# Altium PCB fish with thicker fin.PcbDoc
Units mil, origin at the board's own origin, x right, y up, seen from the top; angles counter-clockwise.
Board outline 3736.66 x 2102.28 mil, 2 copper layers (Top Layer, Bottom Layer), stack 21 mil thick; 47 components, 30 nets, 135 pads, 180 vias.
Unrouted connection lines stored in the file: 1.
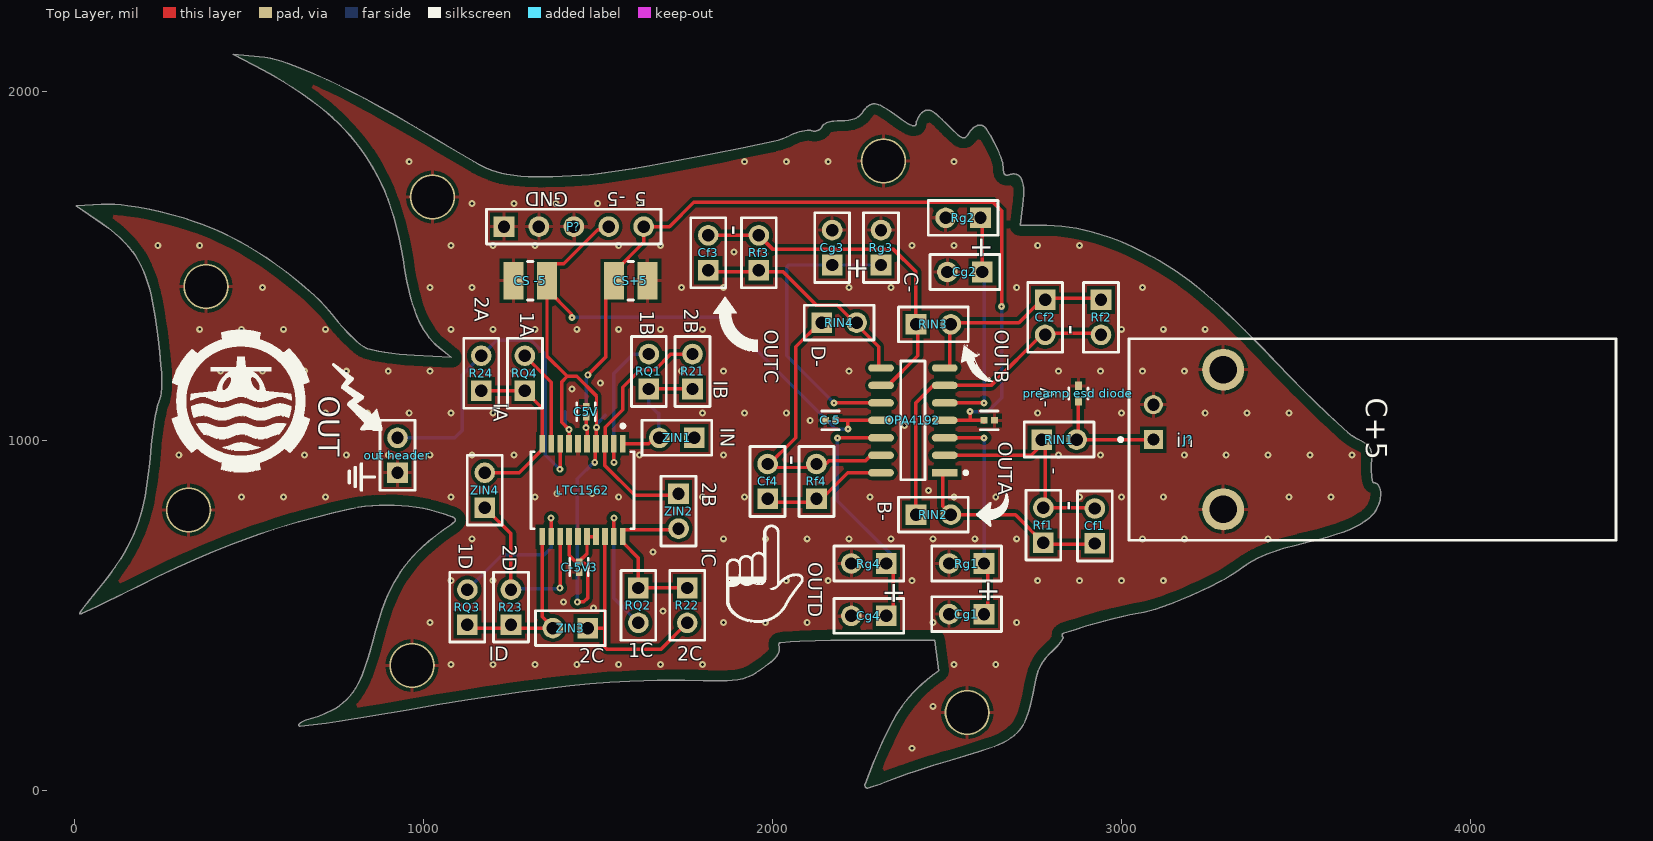
[diagram p0: Top Layer view]
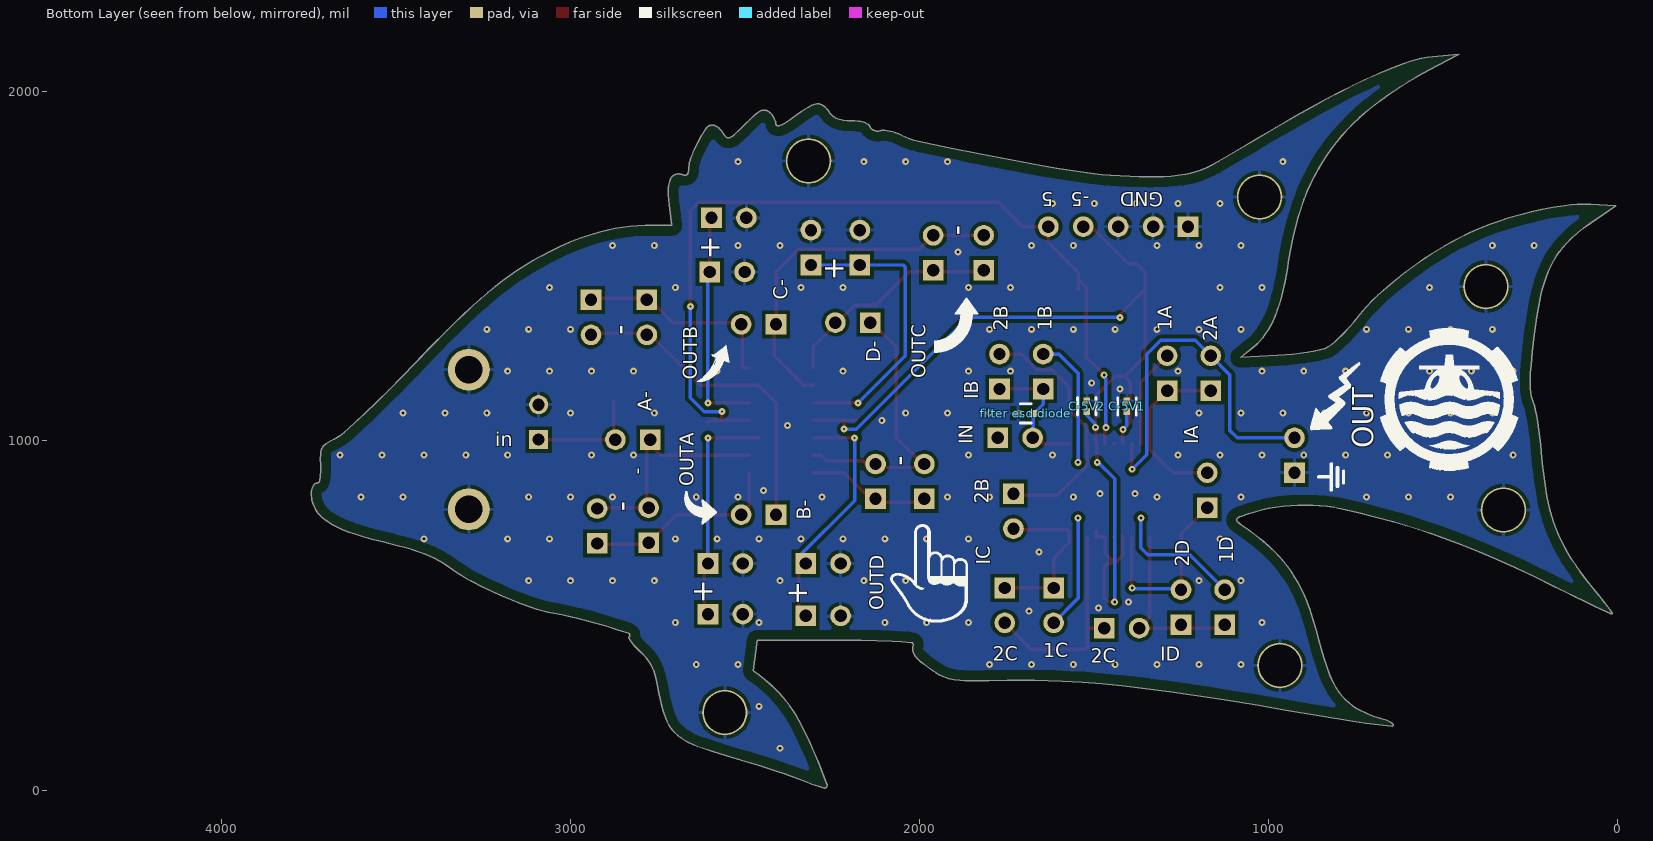
[diagram p1: Bottom Layer view, seen from below]
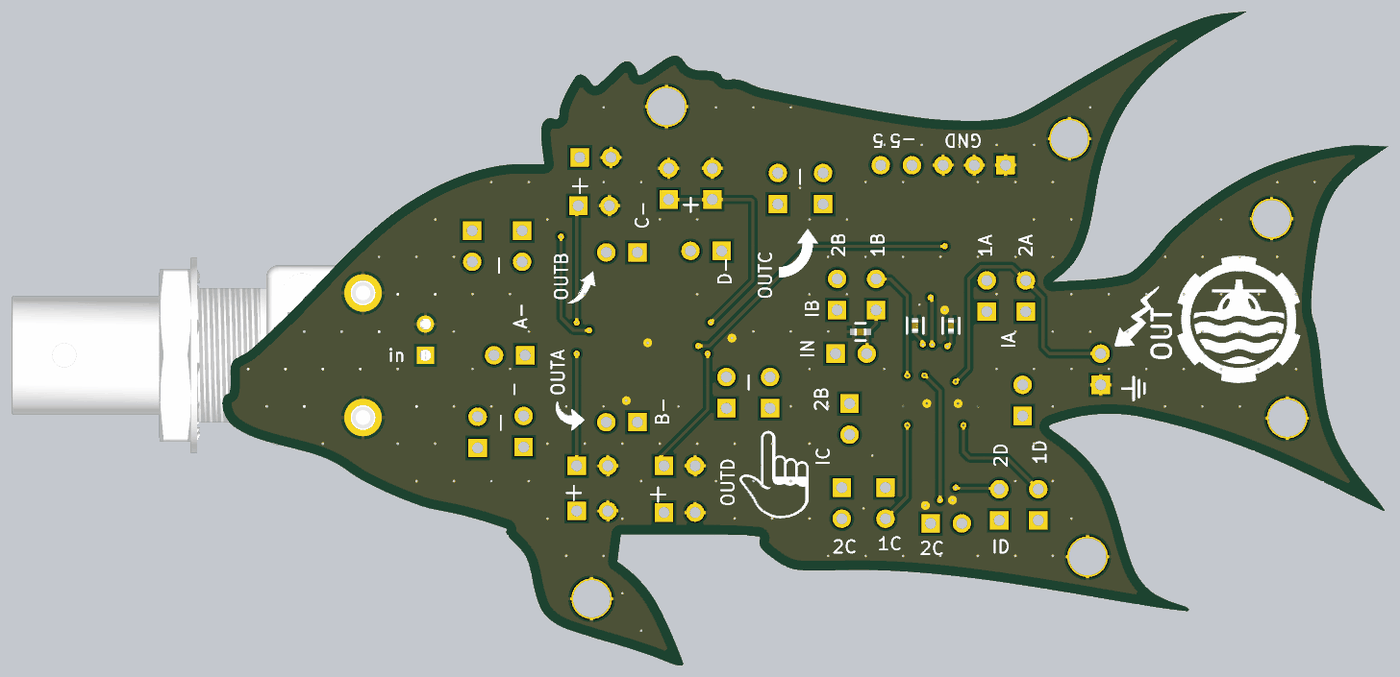
[diagram p2: 3D render of the assembled board from below, using the file's embedded part models]

## Layer stack, top to bottom
Top Solder: solder mask 0.4, Solder Resist, Dk 3.5
Top Layer: signal copper 1.4
Dielectric 2: prepreg 2.8, PP-006, Dk 4.1
Dielectric 1: dielectric 12.6, FR-4, Dk 4.8
Dielectric 3: prepreg 2.8, PP-006, Dk 4.1
Bottom Layer: signal copper 1.4
Bottom Solder: solder mask 0.4, Solder Resist, Dk 3.5

## Board outline
17.57,504.91 cw(c17.57,506.29) 16.44,507.07 cw(c670.23,58.05) 28.53,524.19 cw(c506.41,177.06) 44.65,545.36 cw(c1068.55,-271.32) 65.24,570.54 ccw(c-662.34,1181.04) 133.37,662.44 ccw(c-251.93,913.56) 176.8,747.13 ccw(c-294.14,929.94) 203.38,842.27 ccw(c-1096.08,1071.25) 219.31,967.41 cw(c1279.69,883.7) 223.63,1010.84 cw(c1223.94,890.41) 229.69,1053.46 cw(c1110.22,909.06) 236.48,1090.05 cw(c356.28,1065.23) 242.88,1111.16 ccw(c147.13,1149.94) 249.62,1136.97 ccw(c5.09,1167.91) 251.56,1170.23 ccw(c-308.42,1164.96) 249.1,1217.59 ccw(c-3029.55,908.05) 241.18,1292.41 ccw(c-1169.49,1126.64) 220.75,1417.66 ccw(c-136.3,1342.92) 191.87,1502.22 ccw(c-34.72,1392.22) 147.79,1565.8 ccw(c-151.58,1281.09) 80.88,1622.63 5.91,1673.66 78.7,1677.44 cw(c98.93,1287.57) 153.43,1674.14 cw(c10.08,657.29) 247.46,1656.38 cw(c-8.78,577.94) 344.71,1628.53 cw(c97.79,894.64) 430.42,1593.87 cw(c50.41,795.04) 518.63,1545.57 cw(c-116.73,527.11) 608.06,1484 cw(c-65.21,595.12) 687.5,1417.81 cw(c351.47,1050.54) 744.64,1355.86 ccw(c1198.52,1708.34) 768.69,1326.91 ccw(c1180.62,1692.45) 794.34,1299.9 ccw(c1129.43,1640.44) 818.07,1278.07 ccw(c866.83,1334.82) 834.68,1267.26 ccw(c871.9,1345.48) 854.2,1260.69 ccw(c1000.88,1963.32) 889.68,1254.2 ccw(c1015.29,2055.26) 931.46,1248.76 ccw(c1024.78,2146.53) 974.61,1245.32 1080.86,1239.41 1046.14,1267.09 cw(c1159.24,1408.95) 1009.9,1305.93 cw(c1235.21,1461.36) 981.83,1357.81 cw(c1390.02,1524.63) 959.94,1427.27 cw(c2184.18,1704.4) 942.47,1520.74 ccw(c93.07,1395.11) 897.95,1694.17 ccw(c353.42,1491.85) 820.84,1836.77 ccw(c320.98,1467.91) 704.69,1956.46 ccw(c29.5,1096.79) 543.36,2061.6 455.86,2108.2 530.12,2100.96 cw(c498.6,1777.59) 610.97,2082.45 cw(c106.33,713.32) 723.98,2035.32 cw(c-248.83,-46.87) 864.89,1963.48 cw(c-1871.7,-2976.29) 1036.88,1864.2 ccw(c4974.82,8417.72) 1145.06,1800.4 ccw(c1346.87,2149.12) 1195.64,1775.67 ccw(c1267.25,1952.51) 1238.84,1763.85 ccw(c1339.64,2433.04) 1300.53,1757.43 ccw(c1339.86,2436.95) 1344.52,1756.31 ccw(c1333.99,3296.61) 1398.59,1757.63 ccw(c1332.45,3333.01) 1453.6,1760.9 ccw(c1386.97,2625.54) 1500.76,1765.84 ccw(c1038.68,5256.73) 1648.96,1788.68 ccw(c280.98,9562.45) 1829.65,1822.65 ccw(c-974.65,15837.65) 2004.44,1858.76 ccw(c1964.13,2047.9) 2053.62,1876.46 cw(c2106.89,1774.41) 2068.83,1883.06 cw(c2112.58,1758.18) 2085.37,1887.67 cw(c2108.92,1775.6) 2100.77,1889.83 cw(c2103.27,1854.69) 2112.19,1888.77 ccw(c2120.69,1921.3) 2121.71,1887.69 ccw(c2120.87,1915.56) 2130.68,1889.46 ccw(c2122.63,1910.87) 2137.83,1893.78 ccw(c2127.13,1905.81) 2142.16,1900.04 cw(c2155.83,1894.8) 2148.05,1907.2 cw(c2175.9,1862.81) 2159.87,1912.7 cw(c2186.22,1830.71) 2176.26,1916.25 cw(c2196.21,1744.95) 2196.21,1917.41 ccw(c2196.21,2103.47) 2219,1918.81 ccw(c2210.44,1988.19) 2236.22,1923.21 ccw(c2218.59,1967.65) 2249.24,1930.96 ccw(c2218.36,1967.92) 2259.21,1942.41 cw(c2315.48,1907.27) 2275.99,1960.58 cw(c2290.99,1940.34) 2294.36,1965.3 cw(c2286.02,1903.62) 2318.98,1956.42 cw(c1976.77,1408.2) 2359.65,1928.83 ccw(c2716.73,2414.39) 2384.07,1911.79 ccw(c2429.13,1979.87) 2399.69,1903.72 ccw(c2404.47,1916.07) 2408.27,1903.38 ccw(c2406.72,1908.55) 2412.11,1908.55 cw(c2437.27,1908.55) 2413.46,1916.69 cw(c2468.55,1897.86) 2417.61,1926.04 cw(c2474.1,1894.79) 2423.67,1935.09 cw(c2462.92,1903.72) 2430.83,1942.38 cw(c2446.02,1924.08) 2442.86,1947.65 cw(c2445.74,1926.17) 2455.48,1945.53 cw(c2422.12,1879.25) 2472.08,1934.12 cw(c1920.43,1328.28) 2499.81,1907.66 ccw(c3587.96,2995.81) 2530.82,1877.51 ccw(c2561.87,1910.36) 2544.34,1868.69 ccw(c2547.89,1877.13) 2553.74,1870.08 ccw(c2529.98,1898.71) 2562.78,1881.15 cw(c2606.12,1857.96) 2569.05,1890.24 cw(c2609.62,1854.91) 2577.32,1897.93 cw(c2604.9,1861.2) 2586.24,1903.17 cw(c2594.41,1884.79) 2594.41,1904.91 cw(c2594.41,1884.81) 2611.17,1895.91 cw(c2215.27,1633.58) 2635.27,1855.28 cw(c2280.6,1668.06) 2655.49,1810.55 cw(c2564.42,1775.93) 2661.84,1777.18 ccw(c2696.03,1777.61) 2663.18,1768.13 ccw(c2672.35,1770.78) 2666.98,1762.89 ccw(c2672.33,1770.75) 2673.25,1761.28 ccw(c2669.98,1795.02) 2682.12,1763.37 cw(c2691,1740.25) 2701.07,1762.88 cw(c2690.64,1739.44) 2714.39,1749.13 cw(c2642.48,1719.81) 2720.14,1720.02 cw(c2389.2,1719.12) 2717.42,1676.79 2709.77,1617.41 2785.46,1617.41 cw(c2785.46,1170.66) 2872,1608.95 cw(c2742.38,952.45) 2964.88,1583.55 cw(c2706.1,849.51) 3060.4,1542.51 cw(c2624.89,690.65) 3154.88,1487.17 cw(c2702.32,807.02) 3214.65,1443.37 cw(c2330.86,345.65) 3279.21,1388.1 cw(c1832.84,-201.79) 3354.03,1316.67 cw(c-599.58,-2629.83) 3446.01,1222.32 ccw(c6746.79,4365.27) 3520,1146.4 ccw(c5766.85,3387.75) 3589.41,1078.91 ccw(c5984.1,3618.13) 3648.84,1024.16 ccw(c3724.23,1107.9) 3674.61,1006.73 cw(c3557.87,768.68) 3699.84,992.6 cw(c3681.69,963.96) 3711.29,980.49 cw(c3678.67,962.28) 3716,963.95 cw(c3366.88,948.28) 3716,932.59 ccw(c3987.78,920.38) 3715.84,912.4 ccw(c3855.82,916.51) 3717.38,895.39 ccw(c3817.36,910.64) 3720.11,882.87 ccw(c3724.03,883.99) 3724.03,879.91 cw(c3724.03,865.66) 3736.07,873.29 cw(c3701.85,851.58) 3742.16,855.75 cw(c3666.83,847.96) 3740.71,831.33 cw(c3639.3,854.15) 3731.64,806.41 cw(c3655.71,845.67) 3708.93,778.78 cw(c3578.94,942.15) 3670.84,754.69 cw(c3500.48,1102.2) 3615.23,732.58 cw(c3239.77,1941.93) 3537.11,711.04 ccw(c4020.05,-1288.12) 3465.06,692.25 ccw(c3601.32,206.04) 3415.87,675.7 ccw(c3532,381.58) 3377.06,657.23 ccw(c3555.34,340.06) 3339.65,633.08 cw(c3075.87,991.43) 3280.76,596.44 cw(c2666.3,1780.98) 3197.88,557 cw(c2667.54,1778.13) 3113.05,523.57 cw(c2979.69,899.1) 3048.3,506.54 ccw(c3235.64,-565.53) 2975.96,491.35 ccw(c3297.62,-817.79) 2900.79,470.56 ccw(c3631.2,-1900.74) 2833.55,448.8 ccw(c2835.31,443.61) 2831.44,439.75 cw(c2828.27,436.58) 2832.26,434.53 cw(c2755.58,473.85) 2825.66,423.7 cw(c2721.88,497.96) 2814.83,410.52 cw(c2634.86,579.83) 2800.44,396.43 ccw(c2917.82,266.41) 2780.14,374.7 ccw(c2868.25,305.4) 2766.31,352.03 ccw(c2915.39,283.84) 2756.19,322.94 ccw(c3389.88,167.31) 2747.15,279.91 cw(c2320.11,354.72) 2726.1,202.65 cw(c2625.95,240.16) 2693.96,157.62 cw(c2573.65,303.64) 2635.77,124.94 cw(c1889.2,2272.7) 2511.36,85.65 ccw(c3136.26,-2111.05) 2461.8,70.95 ccw(c3258.68,-2507.12) 2410.47,54.52 ccw(c3170.68,-2241.37) 2364.5,38.78 ccw(c2546.98,-477.37) 2333.61,26.79 cw(c2112.66,548.82) 2310.28,17.53 cw(c2199.2,316.18) 2289.68,10.65 cw(c2181.95,374.42) 2272.7,6.05 cw(c2271.51,10.88) 2267.99,7.36 cw(c2274.86,14.23) 2265.8,17.72 cw(c5587.98,-1259.58) 2289.39,77.48 cw(c3627.82,-465.04) 2316.63,140.34 cw(c3385.96,-353.37) 2345.53,198.66 cw(c2671.54,25.69) 2381.74,254.19 cw(c2692.29,9.33) 2427.86,303.4 cw(c2727.44,-29.77) 2474.82,340.27 2476.2,341.69 2464.95,429.33 2328.13,429.33 ccw(c2291.34,-19701.29) 2167.13,428.98 ccw(c2179.96,-1649.24) 2079.03,426.57 ccw(c2140.44,-836.33) 2023.93,422.68 ccw(c2024.51,416.44) 2018.62,414.29 cw(c1992.24,404.62) 2019.76,398.96 cw(c1984.4,406.23) 2012.87,384.03 cw(c1932.72,446.53) 1995.55,366.63 cw(c1530.04,958.59) 1962.11,341.81 cw(c1858.61,489.56) 1931.06,324.35 cw(c1886.79,425.31) 1900.77,315.96 cw(c1857.47,654.43) 1855.34,313.21 cw(c1901.65,7723.15) 1749.61,314.62 ccw(c1704.49,-1883.92) 1591.82,312.2 ccw(c1750.67,-2784.27) 1420.36,298.62 ccw(c1918.33,-4349.14) 1215.31,272.06 ccw(c3148.35,-12434.41) 951.49,229.11 cw(c-1681.98,15409.44) 759.9,197.12 cw(c452.93,2109.44) 648.35,182.52 cw(c647.94,186.52) 644.94,189.19 cw(c671.06,165.99) 662.11,199.76 ccw(c560.38,583.9) 738.45,228.65 ccw(c666.48,372.23) 789.17,268.59 ccw(c628.35,404.44) 825.33,330.16 ccw(c-25.37,650.93) 856.52,429.91 cw(c1784.56,197.33) 891.89,541.53 cw(c1283.41,390.57) 935.85,625.69 cw(c1255.44,409.49) 995.94,695.04 cw(c1474.61,168.32) 1080.47,760.95 ccw(c1052.44,803.1) 1091.41,770.8 ccw(c1087.51,774.03) 1090.79,777.89 ccw(c1067.63,750.61) 1078.6,784.67 ccw(c500.51,-1011.14) 1037.57,797.36 ccw(c916.75,390.51) 979.99,810.19 ccw(c898.59,269.97) 917.39,815.96 ccw(c898.19,258.4) 853.84,814.53 ccw(c891.72,339.46) 793.36,805.77 ccw(c1249.33,-1355.89) 643.94,768.78 ccw(c1233.47,-1300.24) 498.46,721.67 ccw(c1330.79,-1567.95) 348.19,661.32 ccw(c1885.98,-2827.54) 184.17,584.32 cw(c-4231.32,9436.57) 122.61,553.88 cw(c-2245.57,5385.3) 69.56,528.24 cw(c-8188.75,17853.99) 23.04,506.14 cw(c17.57,517.69)

## Design rules (kind name [scope] priority, off if disabled: settings)
BoardOutlineClearance [All] p1: gap=30 ignorepadtopadclearanceinfootprint=FALSE
Clearance [All] p1: gap=10 ignorepadtopadclearanceinfootprint=FALSE except(0: Arc-Hole Track-Hole SMDPad-Hole THPad-Hole Via-Hole Fill-Hole Poly-Hole Region-Hole Text-Hole)
PlaneConnect [All] p1: pad.planeconnectstyle=Relief pad.reliefexpansion=20 pad.reliefentries=4 pad.reliefconductorwidth=10 pad.reliefairgap=10 via.planeconnectstyle=Direct via.reliefexpansion=20 via.reliefentries=4 via.reliefconductorwidth=10 via.reliefairgap=10
PolygonConnect [All] p1: thpad.connectstyle=Relief thpad.reliefconductorwidth=10 thpad.reliefentries=4 thpad.polygonreliefangle="90 Angle" thpad.airgapwidth=10 smdpad.connectstyle=Relief smdpad.reliefconductorwidth=10 smdpad.reliefentries=4 smdpad.polygonreliefangle="90 Angle" smdpad.airgapwidth=10 via.connectstyle=Direct via.reliefconductorwidth=10 via.reliefentries=4 via.polygonreliefangle="90 Angle" via.airgapwidth=10
RoutingVias [All] p1: holewidth=28 width=50 viastyle="Through Hole" minholewidth=28 minwidth=50 maxholewidth=28 maxwidth=50
SolderMaskExpansion [All] p1: expansion=4 istentingtop=FALSE
Width [All] p1: maxlimit=10 minlimit=10 preferedwidth=10
29 further rules are at their usual default settings.

## Classes and differential pairs
component class "Thru hole preamp with charge or INV stages with input resistors": C+5 C-5 CF1 CF2 CF3 CF4 CG1 CG2 CG3 CG4 J? OPA4192 "preamp esd diode" RF1 RF2 RF3 RF4 RG1 RG2 RG3 RG4 RIN1 RIN2 RIN3 RIN4
component class "thru hole LTC1562 8th order 4 LP or BP stages": C5V C-5V1 C-5V2 C-5V3 "CS -5" CS+5 "filter esd diode" LTC1562 "out header" P? R21 R22 R23 R24 RQ1 RQ2 RQ3 RQ4 ZIN1 ZIN2 ZIN3 ZIN4

## Components (designator, comment, footprint, x,y, rotation, side; value= is the part's Value field where it differs from the comment)
C5V "CL05A104KA5NNNC" FP-CL278-IPC_C 1466.47,1084 r270 top
C+5 "CL05A104KA5NNNC" FP-CL278-IPC_C 2621.56,1059.09 r0 top
C-5 "CL05A104KA5NNNC" FP-CL278-IPC_C 2166.47,1059.09 r180 top
C-5V1 "CL05A104KA5NNNC" FP-CL278-IPC_C 1406.47,1099 r90 bottom
C-5V2 "CL05A104KA5NNNC" FP-CL278-IPC_C 1521.47,1099.19 r90 bottom
C-5V3 "CL05A104KA5NNNC" FP-CL278-IPC_C 1446.47,639 r270 top
Cf1 "Header 2" HDR1X2 2923.97,706.59 r90 top (schematic designator CF1)
Cf2 "Header 2" HDR1X2 2781.47,1404.09 r270 top (schematic designator CF2)
Cf3 "Header 2" HDR1X2 1816.47,1489.09 r90 top (schematic designator CF3)
Cf4 "Header 2" HDR1X2 1986.47,834.09 r90 top (schematic designator CF4)
Cg1 "Header 2" HDR1X2 2606.47,504.09 r180 top (schematic designator CG1)
Cg2 "Header 2" HDR1X2 2601.47,1484.09 r180 top (schematic designator CG2)
Cg3 "Header 2" HDR1X2 2171.47,1504.09 r90 top (schematic designator CG3)
Cg4 "Header 2" HDR1X2 2326.47,499.09 r180 top (schematic designator CG4)
"CS -5" "CL32A157MQVNNNE" FP-CL32-IPC_C 1306.47,1459.09 r180 top
CS+5 "CL32A157MQVNNNE" FP-CL32-IPC_C 1594.71,1459.09 r0 top
"filter esd diode" "GG040205100N2P" FP-GG0402-MFG 1696.47,1079.09 r180 bottom value=10pF
J? "73138-5033" FP-73138-5033-MFG 3718.83,1004.09 r180 top
LTC1562 "LTC1562IG#PBF" FP-G-20-05-08-1640-MFG 1456.47,859.09 r270 top
OPA4192 "OPA4192IDR" FP-D0014A-IPC_C 2402.65,1059.09 r180 top
"out header" "Header 2" HDR1X2 926.47,909.09 r90 top
P? "Header 5" HDR1X5 1231.47,1614.09 r0 top
"preamp esd diode" "GG040205100N2P" FP-GG0402-MFG 2876.47,1136.14 r270 top value=10pF
R21 "Header 2" HDR1X2 1771.47,1149.09 r90 top
R22 "Header 2" HDR1X2 1756.47,579.09 r270 top
R23 "Header 2" HDR1X2 1251.47,474.09 r90 top
R24 "Header 2" HDR1X2 1166.47,1144.09 r90 top
Rf1 "Header 2" HDR1X2 2776.47,709.09 r90 top (schematic designator RF1)
Rf2 "Header 2" HDR1X2 2941.47,1404.09 r270 top (schematic designator RF2)
Rf3 "Header 2" HDR1X2 1961.47,1489.09 r90 top (schematic designator RF3)
Rf4 "Header 2" HDR1X2 2126.47,834.09 r90 top (schematic designator RF4)
Rg1 "Header 2" HDR1X2 2606.47,649.09 r180 top (schematic designator RG1)
Rg2 "Header 2" HDR1X2 2596.47,1639.09 r180 top (schematic designator RG2)
Rg3 "Header 2" HDR1X2 2311.47,1504.09 r90 top (schematic designator RG3)
Rg4 "Header 2" HDR1X2 2326.47,649.09 r180 top (schematic designator RG4)
RIN1 "Header 2" HDR1X2 2771.47,1004.09 r0 top
RIN2 "Header 2" HDR1X2 2411.47,789.09 r0 top
RIN3 "Header 2" HDR1X2 2411.47,1334.09 r0 top
RIN4 "Header 2" HDR1X2 2141.47,1339.09 r0 top
RQ1 "Header 2" HDR1X2 1646.47,1149.09 r90 top
RQ2 "Header 2" HDR1X2 1616.47,579.09 r270 top
RQ3 "Header 2" HDR1X2 1126.47,474.09 r90 top
RQ4 "Header 2" HDR1X2 1291.47,1144.09 r90 top
ZIN1 "Header 2" HDR1X2 1776.47,1009.09 r180 top
ZIN2 "Header 2" HDR1X2 1731.47,849.09 r270 top
ZIN3 "Header 2" HDR1X2 1471.47,464.09 r180 top
ZIN4 "Header 2" HDR1X2 1176.47,809.09 r90 top

## Footprints (in the part's own frame and the unit in brackets; to place one, negate y for a bottom-side part, rotate by r counter-clockwise, add the part's x,y. Pads: shape width x height; smd on the part's side, far side on the other; paste and mask are expansions set on the pad)
FP-73138-5033-MFG [mm]
  rect 1.39x1.39 hole 0.89 paste-2539.97 mask+0: 1(15.935,0)
  round 1.39 hole 0.89 paste-2539.97 mask+0: 2(15.935,-2.54)
  round 3.05 hole 2 paste-2539.97 mask+0: 3(10.855,5.08) 4(10.855,-5.08)
  silkscreen extent -17.71,-7.33 18.44,7.33, body extent -17.82,-7.43 17.82,7.43, height 0.25
FP-CL32-IPC_C [mil]
  rect 57.19x106.46 smd paste+0 mask+0: 1(-48.24,0) 2(48.24,0)
  silkscreen extent -8,-55 8,55, body extent -81,-59 81,59, height 10
FP-CL278-IPC_C [mil]
  rect 20.29x18.6 smd paste+0 mask+0: 1(-14.9,0) 2(14.9,0)
  silkscreen extent -25,-27 25,27, body extent -29,-15 29,15, height 10
FP-D0014A-IPC_C [mil]
  rect 73.78x21.34 smd paste+0 mask+0: 1(-91.18,150)
  rrect100% 73.78x21.34 smd paste+0 mask+0: 2(-91.18,100) 3(-91.18,50) 4(-91.18,0) 5(-91.18,-50) 6(-91.18,-100) 7(-91.18,-150) 8(91.18,-150) 9(91.18,-100) 10(91.18,-50) 11(91.18,0) 12(91.18,50) 13(91.18,100) 14(91.18,150)
  silkscreen extent -156,-170 35,170, body extent -132,-174 132,174, height 10
FP-G-20-05-08-1640-MFG [mm]
  rect 1.25x0.42 smd paste+0 mask+0: 1(-3.375,2.925) 2(-3.375,2.275) 3(-3.375,1.625) 4(-3.375,0.975) 5(-3.375,0.325) 6(-3.375,-0.325) 7(-3.375,-0.975) 8(-3.375,-1.625) 9(-3.375,-2.275) 10(-3.375,-2.925) 11(3.375,-2.925) 12(3.375,-2.275) 13(3.375,-1.625) 14(3.375,-0.975) 15(3.375,-0.325) 16(3.375,0.325) 17(3.375,0.975) 18(3.375,1.625) 19(3.375,2.275) 20(3.375,2.925)
  silkscreen extent -4.8,-3.75 2.8,3.75, body extent -4.1,-4 4.1,4, height 0.25
FP-GG0402-MFG [mm]
  rect 0.61x0.51 smd paste+0 mask+0: 1(-0.56,0) 2(0.56,0)
  silkscreen extent -0.4,-0.7 0.4,0.7, body extent -0.5,-0.3 0.5,0.3, height 0.55
HDR1X2 [mm] "Connector; Header; 2 Position"
  rect 1.5x1.5 hole 0.9: 1(0,0)
  round 1.5 hole 0.9: 2(2.54,0)
  silkscreen extent -1.27,-1.27 3.81,1.27
HDR1X5 [mm] "Connector; Header; 5 Position"
  rect 1.5x1.5 hole 0.9: 1(0,0)
  round 1.5 hole 0.9: 2(2.54,0) 3(5.08,0) 4(7.62,0) 5(10.16,0)
  silkscreen extent -1.27,-1.27 11.43,1.27

## Part data
C5V C+5 C-5 C-5V1 C-5V2 C-5V3: library part CMP-13271-000728-1, "Cap Ceramic 100nF 25V X5R ±10% SMD 0402 +85°C Paper T/R", Capacitance=100nF, Case Code (Imperial)=0402, Case Code (Metric)=1005, Dielectric=X5R, Max Operating Temperature=85°C, Min Operating Temperature=-55°C, Package Quantity=1, Tolerance=10%, Voltage=25V, Case/Package=0402, Depth=0.5mm, Height=0.5mm, Lead Free="Lead Free", Length=1mm, Mount="Surface Mount", Packaging="Tape and Reel", Radiation Hardening=No, Thickness=0.022inch, Voltage Rating=25V, Voltage Rating (DC)=25V, Width=0.02inch
Cf1 Cf2 Cf3 Cf4 Cg1 Cg2 Cg3 Cg4 "out header" R21 R22 R23 R24 Rf1 Rf2 Rf3 Rf4 Rg1 Rg2 Rg3 Rg4 RIN1 RIN2 RIN3 RIN4 RQ1 RQ2 RQ3 RQ4 ZIN1 ZIN2 ZIN3 ZIN4: "Header, 2-Pin", LatestRevisionDate=17-Jul-2002, LatestRevisionNote="Re-released for DXP Platform.", Publisher="Altium Limited"
"CS -5" CS+5: library part CMP-2000-06109-2, "Cap Ceramic 150uF 6.3V X5R ±20% SMD 1210 +85°C Embossed T/R", Capacitance=150uF, Case Code (Imperial)=1210, Case Code (Metric)=3225, Max Operating Temperature=85°C, Min Operating Temperature=-55°C, Package Quantity=1, Tolerance=20%, Voltage Rating=6.3V, Case/Package=1210, Lead Free="Lead Free", Length=0.126inch, Mount="Surface Mount", Packaging="Tape and Reel", Thickness=0.11inch, Voltage Rating (DC)=6.3V, Width=0.098inch
"filter esd diode" "preamp esd diode": library part CMP-04587-000001-1, "TVS DIODE 5V 12V 0402", Breakdown Voltage=5.5V, Capacitance=10pF, Clamping Voltage=12V, Manufacturer="AVX Corporation", Package=GG0402, Peak Pulse Current=16A, Peak Pulse Power=96W, Reverse Standoff Voltage=5V, Temperature="-55°C to +125°C", Temperature Range High=+125°C, Temperature Range Low=-55°C, Automotive=No, Category=Diode, ComponentLink2Description=Datasheet, ComponentLink2URL=http://datasheets.avx.com/AVX-GiGuard.pdf, Device Class L1="Circuit Protection", Device Class L2="TVS Diodes", Device Class L3=unset, Digikey Description="TVS DIODE 5V 12V 0402", Direction=Bidirectional, Height=0.55mm, Ipc Land Pattern Name=DIOC10060X50, Lead Free=Yes, Manufacturer Part Number=GG040205100N2P, Number of Channels=1, Octopart=https://octopart.com/gg040205100n2p-avx-81066081, RoHS=TRUE
J?: library part CMP-00257-00776601-1, "73138-5033 RF BNC Connector, Female, Panel Mount, Board And Panel Mount, Solder Terminal, Receptacle", Dielectric Material=PP, Frequency=2GHz, Housing Color=Silver, Manufacturer Lifecycle Status=ACTIVE, Body Material=Zinc, Body Plating=Nickel, Connector Type="BNC, Receptacle, Socket", Contact Material=Bronze, Contact Plating=Gold, Country of Origin=US, Depth=14.66mm, Fastening Type=Bayonet, Gender=Female, Impedance=50Ω, Insulation Material=Polypropylene, Lead Free="Lead Free", Length=35.43mm, Lifecycle Status=Production, Mount="Through Hole", NexarPartId=776601, Orientation="Right Angle", Packaging=Bulk, Radiation Hardening=No, RoHS=Compliant, Termination=Solder
LTC1562: library part CMP-09114-000012-1, "IC FILTER 150KHZ UNIV 20SSOP", Case/Package=SSOP, Dual Supply Voltage=5V, Max Dual Supply Voltage=5.25V, Max Operating Temperature=85°C, Max Supply Voltage=10.5V, Min Dual Supply Voltage=2.375V, Min Operating Temperature=-40°C, Min Supply Voltage=4.75V, Nominal Supply Current=19mA, Package Quantity=66, Filter Type=UNIVERSAL, Height=1.78mm, Lead Free="Lead Free", Length=7.33mm, Mount="Surface Mount", Number of Circuits=4, Number of Pins=20, Packaging=Rail/Tube, Radiation Hardening=No, RoHS Compliant=Yes, Series=-, Supply Current=19mA, Type=Active, Width=5.38mm
OPA4192: library part CMP-04895-000275-1, "IC OPAMP GP 4 CIRCUIT 14SOIC", Case/Package=SOIC, Input Bias Current=5pA, Input Offset Voltage (Vos)=5uV, Max Dual Supply Voltage=18V, Max Operating Temperature=125°C, Max Supply Voltage=36V, Min Dual Supply Voltage=2.25V, Min Operating Temperature=-40°C, Min Supply Voltage=4.5V, Operating Supply Current=1mA, Output Current per Channel=65mA, Voltage Gain=140dB, Common Mode Rejection Ratio=100dB, Gain Bandwidth Product=10MHz, Lead Free="Lead Free", Mount="Surface Mount", Number of Channels=4, Number of Circuits=1, Number of Pins=14, Packaging="Tape and Reel", RoHS Compliant=Yes, Slew Rate=20V/µs
P?: "Header, 5-Pin", LatestRevisionDate=17-Jul-2002, LatestRevisionNote="Re-released for DXP Platform.", Publisher="Altium Limited"

## Free pads (board coordinates)
  round 130 hole 120: 5(328.33,802.23) 5(378.33,1442.23) 5(968.33,357.23) 5(1026.48,1699.09) 5(2318.33,1802.23) 5(2558.33,222.23)

## Via types
v1: diameter 20, hole 8, Top Layer to Bottom Layer, tented both sides, 153 vias
v2: diameter 20, hole 8, Top Layer to Bottom Layer, 19 vias
v3: diameter 20, hole 6, Top Layer to Bottom Layer, 8 vias

## Nets (pads, with @x,y where several pads share a name; then routed paths per layer and width w, separated by ;. In a path a pad name is that pad's centre, name@x,y a point inside that pad or via, vN(x,y) a via of type N, cw(c..) or ccw(c..) an arc to the next point about the centre after c; other vN are vias at no path point)
5V: C5V.2 C+5.1 CS+5.1 LTC1562.5 OPA4192.4 P?.5 | length 2601.2
  Top Layer w10: v2(1466.48,1038.1) 1466.48,1065.2 C5V.2@1468.96,1067.69 ; LTC1562.5 1470.37,993.07 v2@1470.37,1037.99 ; v2(1471.47,1189.09) 1522.87,1240.5 1522.87,1440.5 1541.47,1459.09 CS+5.1 ; CS+5.1@1546.47,1434.46 CS+5.1 ; OPA4192.4@2487.65,1059.09 OPA4192.4 2566.47,1059.09 ; v3(2566.47,1084.09) 2566.47,1059.09 ; C+5.1@2606.56,1054.09 2605.72,1054.09 2600.72,1059.09 2566.47,1059.09 ; v3(2656.79,1385.06) 2656.79,1659.04 2632.21,1683.62 1775.07,1683.62 1705.54,1614.09 P?.5 1631.47,1568.73 1546.47,1483.73 CS+5.1
  Bottom Layer w10: v2(1466.48,1038.1) 1467.05,1038.66 1467.05,1178.24 1469.55,1180.74 1469.55,1187.18 v2(1471.47,1189.09) ; v3(2566.47,1084.09) 2616.82,1084.09 2656.79,1124.07 v3(2656.79,1385.06)
"+IN A": Cg1.1 OPA4192.3 Rg1.1 | length 652.5
  Top Layer w10: OPA4192.3@2461.43,1009.09 v3(2606.47,1009.09) ; Cg1.1 2616.47,514.09 2616.47,639.09 Rg1.1
  Bottom Layer w10: v3(2606.47,1009.09) 2606.47,839.09 2606.55,839.01 2606.55,669.01 Rg1.1@2616.47,659.09
"+IN B": Cg2.1 OPA4192.5 Rg2.1 | length 663
  Top Layer w10: OPA4192.5@2487.65,1109.09 v3(2606.47,1109.09) ; Rg2.1 2601.47,1634.09 Cg2.1
  Bottom Layer w10: Cg2.1@2601.47,1494.09 2606.47,1489.09 v3(2606.47,1109.09)
"+IN C": Cg3.1 OPA4192.10 Rg3.1 | length 846.6
  Top Layer w10: v3(2176.65,1109.27) 2176.65,1109.09 OPA4192.10@2305.28,1109.09
  Bottom Layer w10: v3(2176.65,1109.27) 2176.47,1109.09 2041.47,1244.09 2041.47,1498.24 2047.33,1504.09 Cg3.1 Rg3.1
"+IN D": Cg4.1 OPA4192.12 Rg4.1 | length 695.1
  Top Layer w10: v3(2186.47,1009.09) OPA4192.12@2305.28,1009.09 ; Cg4.1@2346.47,499.09 Rg4.1@2346.47,659.09
  Bottom Layer w10: v3(2186.47,1009.09) 2186.47,829.09 2346.47,669.09 Rg4.1@2346.47,659.09
-5V: "CS -5.1" C-5.1 C-5V1.1 C-5V2.1 C-5V3.1 LTC1562.4 LTC1562.7 LTC1562.14 LTC1562.16 LTC1562.17 OPA4192.11 P?.4 | length 3108.9
  Top Layer w10: LTC1562.7 1418.08,1032.48 v2(1417.67,1032.9) 1396.47,1054.09 1396.47,1169.09 1412.33,1184.95 ; LTC1562.14@1420.41,728.54 LTC1562.14 1418.08,672.48 1436.47,654.09 ; v3(1426.47,1354.09) 1424.55,1356.01 1424.55,1364.61 1354.71,1434.46 ; v2(1441.47,539.09) 1460.27,539.09 1470.77,549.59 1470.77,640.45 1461.98,649.24 C-5V3.1@1450.77,649.24 ; C-5V3.1 1446.47,654.75 1469.26,677.54 LTC1562.16 LTC1562.17 LTC1562.17@1494.85,742.56 ; v2(1491.47,939.09) 1492.53,940.16 1492.53,989.65 LTC1562.4 1495.66,992.78 1495.66,1038.29 v2(1496.47,1039.09) 1496.47,1128.74 1440.25,1184.95 1412.33,1184.95 ; P?.4 1522.08,1604.71 1500.32,1604.71 1402.94,1507.33 1378.3,1507.33 1354.71,1483.73 1354.71,1459.09 1354.71,1434.46 ; C-5.1 2216.47,1059.09 ; v3(2216.47,1034.09) 2216.47,1059.09 ; OPA4192.11@2305.28,1059.09 2216.47,1059.09 ; 1354.71,1434.46 1354.71,1242.57 1412.33,1184.95
  Bottom Layer w10: C-5V1.1 1406.47,1044.09 v2(1417.67,1032.9) ; v3(1426.47,1354.09) 1861.47,1354.09 2181.47,1034.09 v3(2216.47,1034.09) ; v2(1441.47,539.09) 1441.47,891.41 1489.15,939.09 v2(1491.47,939.09) ; 1498.38,1050.16 1521.47,1073.25 1521.47,1074.09
"-IN A": Cf1.2 OPA4192.2 Rf1.2 RIN1.1 | length 661.6
  Top Layer w10: OPA4192.2@2487.65,959.09 2741.47,959.09 RIN1.1@2781.47,999.09 ; RIN1.1@2786.47,1004.09 RIN1.1@2781.47,999.09 ; Cf1.2@2926.47,804.09 2921.47,809.09 Rf1.2 2781.47,814.09 RIN1.1@2781.47,999.09
"-IN B": Cf2.2 OPA4192.6 Rf2.2 RIN2.1 | length 917.9
  Top Layer w10: RIN2.1 2411.47,1109.13 2461.43,1159.09 2487.65,1159.09 2626.47,1159.09 2776.47,1309.09 Rf2.2@2926.47,1309.09
"-IN C": Cf3.2 OPA4192.9 Rf3.2 RIN3.1 | length 1025.1
  Top Layer w10: Cf3.2 Rf3.2 2001.94,1548.62 2347.21,1548.62 2411.47,1484.36 RIN3.1 ; OPA4192.9@2305.28,1159.09 2331.5,1159.09 2416.47,1244.06 RIN3.1@2416.47,1334.09
"-IN D": Cf4.2 OPA4192.13 Rf4.2 RIN4.1 | length 817.8
  Top Layer w10: RIN4.1@2136.47,1339.09 2066.96,1269.59 2066.96,1009.59 1981.47,924.09 2143.23,924.09 2163.23,944.09 2267.54,944.09 2276.89,953.45 2276.89,953.85 2282.13,959.09 OPA4192.13@2305.28,959.09
"FILTER INPUT": ZIN1.1
GND: "CS -5.2" "filter esd diode.1" "out header.1" "preamp esd diode.1" C5V.1 C+5.2 C-5.2 C-5V1.2 C-5V2.2 C-5V3.2 Cg1.2 Cg2.2 Cg3.2 Cg4.2 CS+5.2 J?.2 J?.3 J?.4 LTC1562.6 LTC1562.15 P?.1 P?.2 P?.3 pad.5 Rg1.2 Rg2.2 Rg3.2 Rg4.2 | length 10
  Top Layer w10: LTC1562.15@1442.57,725.12 LTC1562.15 LTC1562.15@1443.3,726.59 ; LTC1562.6@1442.67,992.97 LTC1562.6 ; C5V.1@1466.95,1095.49 1470.92,1099.45 C5V.1@1470.92,1100.3
  other v1: 2400,120 2460,240 1080,360 1200,360 1320,360 1440,360 1560,360 1680,360 1800,360 2520,360 2640,360 1020,480 1860,480 1980,480 2100,480 2460,480 2700,480 1687.2,512.47 1080,600 1200,600 1920,600 2040,600 2160,600 2400,600 2760,600 2880,600 3000,600 3120,600 1658.34,681.89 1140,720 1860,720 1980,720 2100,720 2220,720 2340,720 2460,720 2580,720 2700,720 3060,720 3180,720 3420,720 480,840 600,840 720,840 1080,840 1320,840 1560,840 1800,840 1920,840 2280,840 2520,840 2640,840 2880,840 3000,840 3120,840 3480,840 3600,840 300,960 420,960 540,960 660,960 780,960 900,960 1020,960 1140,960 1260,960 1620,960 1860,960 2820,960 2940,960 3180,960 3300,960 3420,960 3540,960 3660,960 360,1080 480,1080 600,1080 720,1080 840,1080 960,1080 1080,1080 1200,1080 1800,1080 1920,1080 2040,1080 2760,1080 3000,1080 3240,1080 3360,1080 3480,1080 1507.35,1166.45 300,1200 420,1200 540,1200 660,1200 780,1200 900,1200 1020,1200 1260,1200 1740,1200 1860,1200 2220,1200 2580,1200 2820,1200 2940,1200 3060,1200 3180,1200 360,1320 480,1320 600,1320 720,1320 1080,1320 1200,1320 1320,1320 1440,1320 1560,1320 1680,1320 1800,1320 3000,1320 3120,1320 3240,1320 540,1440 1020,1440 1140,1440 1740,1440 1860,1440 2220,1440 2340,1440 2700,1440 3060,1440 1890.26,1541.4 240,1560 360,1560 1080,1560 1200,1560 1320,1560 1560,1560 1680,1560 2400,1560 2520,1560 2760,1560 2880,1560 1140,1680 1260,1680 1380,1680 1500,1680 1620,1680 960,1800 1920,1800 2040,1800 2160,1800 2520,1800
  other v2: 1488.29,521.81 1401.64,538.74 1383.61,849.06 1483.61,849.06 2447.15,858.31 2378.61,1044.06 2108.61,1059.06 1426.48,1149.09
"INV A": LTC1562.10 R24.1 RQ4.1 ZIN4.2 | length 506.5
  Top Layer w10: R24.1 RQ4.1 1341.31,1094.25 LTC1562.10 1341.31,975.63 1274.78,909.09 ZIN4.2
"INV B": "filter esd diode.2" LTC1562.1 R21.1 RQ1.1 ZIN1.2 | length 390.5
  Top Layer w10: LTC1562.1 1646.07,991.97 1663.19,1009.09 ZIN1.2 ; RQ1.1 R21.1
  Bottom Layer w10: RQ1.1 1646.47,1105.08 1672.45,1079.09 1674.42,1079.09 1675.44,1078.07 1675.44,1010.12 ZIN1.2
"INV C": LTC1562.20 R22.1 RQ2.1 ZIN2.2 | length 487
  Top Layer w10: ZIN2.2@1728.2,745.83 1574.89,745.83 1571.63,742.56 LTC1562.20 1571.63,709.88 1616.47,665.04 RQ2.1 R22.1 ; ZIN2.2@1741.47,744.09 ZIN2.2@1746.47,749.09
"INV D": LTC1562.11 R23.1 RQ3.1 ZIN3.2 | length 523.8
  Top Layer w10: RQ3.1 1136.47,464.09 ZIN3.2 1371.47,466.75 1341.31,496.91 LTC1562.11
"OUT A": Cf1.1 OPA4192.1 Rf1.1 RIN2.2 | length 580.1
  Top Layer w10: OPA4192.1@2487.65,909.09 2487.65,812.91 RIN2.2 2696.47,789.09 Rf1.1 2781.47,704.09 Cf1.1@2926.47,704.09
"OUT B": Cf2.1 OPA4192.7 Rf2.1 RIN3.2 | length 590.3
  Top Layer w10: OPA4192.7@2487.65,1209.09 2503.63,1209.09 2508.87,1214.33 2508.87,1331.5 2516.47,1339.09 2706.47,1339.09 2751.47,1384.09 2776.47,1409.09 Rf2.1@2926.47,1409.09
"OUT C": Cf3.1 OPA4192.8 Rf3.1 RIN4.2 | length 633.6
  Top Layer w10: Cf3.1@1821.47,1484.09 1961.47,1484.09 2031.47,1484.09 2126.47,1389.09 2186.47,1389.09 2236.47,1339.09 2305.28,1270.28 OPA4192.8@2305.28,1209.09
"OUT D": Cf4.1 OPA4192.14 Rf4.1 | length 359
  Top Layer w10: Cf4.1@1981.47,824.09 2131.47,824.09 2156.47,849.09 2216.47,909.09 OPA4192.14@2305.28,909.09
"PREAMP INPUT": "preamp esd diode.2" J?.1 RIN1.2 | length 317.1
  Top Layer w10: RIN1.2 2876.47,1009.09 2876.47,1114.09 ; RIN1.2@2886.47,1004.09 J?.1
"V1 A": LTC1562.9 RQ4.2 | length 283.4
  Top Layer w10: RQ4.2 1366.9,1168.66 LTC1562.9
"V1 B": LTC1562.2 RQ1.2 | length 430.8
  Top Layer w10: LTC1562.2 1546.25,991.75 1546.25,939.31 v2(1546.47,939.09)
  Bottom Layer w10: v2(1546.47,939.09) 1546.47,1194.09 1601.47,1249.09 RQ1.2
"V1 C": LTC1562.19 RQ2.2 | length 382
  Top Layer w10: LTC1562.19 1546.25,726.44 1546.25,778.88 v2(1546.47,779.09)
  Bottom Layer w10: v2(1546.47,779.09) 1546.47,549.09 RQ2.2
"V1 D": LTC1562.12 RQ3.2 | length 437.8
  Top Layer w10: v2(1366.47,779.09) 1366.68,778.88 1366.68,726.44 LTC1562.12
  Bottom Layer w10: RQ3.2@1136.47,574.09 RQ3.2 1226.47,674.09 1346.47,674.09 1366.47,694.09 v2(1366.47,779.09)
"V2 A": "out header.2" LTC1562.8 R24.2 | length 1069.1
  Top Layer w10: v2(1391.47,919.09) 1391.98,919.61 1391.98,991.46 LTC1562.8
  Bottom Layer w10: 926.47,1009.09 1090.61,1009.09 1111.47,1029.95 1111.47,1189.09 R24.2 1211,1288.62 1309.91,1288.62 1349.73,1248.8 1349.73,960.83 v2(1391.47,919.09)
"V2 B": LTC1562.3 R21.2 ZIN2.1 | length 726.5
  Top Layer w10: ZIN2.1@1726.47,844.09 1606.11,844.09 1520.44,929.76 LTC1562.3 1521.47,992.99 1521.47,1039.09 1571.47,1089.09 1571.47,1154.36 1621.67,1204.57 1664.91,1204.57 1709.44,1249.09 R21.2
"V2 C": LTC1562.18 R22.2 ZIN3.1 | length 634.8
  Top Layer w10: ZIN3.1 1520.44,464.09 ; LTC1562.18 1520.44,464.09 ; R22.2 1681.47,404.09 1526.3,404.09 1520.44,409.95 1520.44,464.09
"V2 D": LTC1562.13 R23.2
V2D: ZIN4.1
copper on no net: | length 555.7
  Top Layer w10: 1176.47,809.09 1251.47,734.09 1251.47,574.09 ; v2(1391.47,579.09) 1391.98,579.61 1391.98,725.71 1392.49,726.22
  Bottom Layer w10: 1251.47,574.09 1254.55,577.18 1389.55,577.18 v2(1391.47,579.09)

## Polygon pours and split planes (outlines as drawn)
GND on Bottom Layer "GND_L02_P001" (solid, pour order 1): 235 vertices, not listed, extent 5.91,5.92 3742.56,2108.2
GND on Top Layer "GND_L01_P000" (solid, pour order 0): 235 vertices, not listed, extent 5.91,5.92 3742.56,2108.2

## Silkscreen, mask and mechanical layers (free items; w line width, h text height)
Top Overlay:
  drawing of 37 lines, arcs and shapes, not listed
  text "GND" at 1415.48,1713.09 h40 r180
  text "-5" at 1580.47,1713.09 h40 r180
  text "5" at 1640.47,1713.09 h40 r180
  text "-" at 1866.76,1618.09 h60 r270
  text "+" at 2572.47,1588.09 h60 r270
  text "+" at 2217.47,1528.09 h60 r270
  text "C-" at 2377.47,1483.09 h40 r270
  text "2A" at 1147.47,1413.09 h40 r270
  text "2B" at 1747.47,1378.09 h40 r270
  text "1B" at 1622.47,1373.09 h40 r270
  text "1A" at 1277.47,1368.09 h40 r270
  text "-" at 2831.76,1333.09 h60 r270
  text "OUTC" at 1977.47,1318.09 h40 r270
  text "OUTB" at 2637.47,1318.09 h40 r270
  text "D-" at 2112.47,1273.09 h40 r270
  text "IB" at 1832.47,1173.09 h40 r270
  text "A-" at 2767.47,1153.09 h40 r270
  text "OUT" at 701.48,1129.09 h60 r270
  text "IA" at 1202.47,1108.09 h40 r270
  text "IN" at 1852.47,1038.09 h40 r270
  text "OUTA" at 2647.47,998.09 h40 r270
  text "in" at 3156.68,982.5 h40
  text "-" at 2033.05,959.01 h60 r270
  text "-" at 2790.33,923.09 h40 r270
  text "2B" at 1799.37,882.36 h40 r270
  text "-" at 2828.05,829.01 h60 r270
  text "B-" at 2302.47,828.09 h40 r270
  text "1D" at 1102.47,708.09 h40 r270
  text "2D" at 1227.47,703.09 h40 r270
  text "IC" at 1797.47,693.09 h40 r270
  text "OUTD" at 2102.47,653.09 h40 r270
  text "+" at 2592.47,603.09 h60 r270
  text "+" at 2322.47,598.09 h60 r270
  text "1C" at 1587.47,380.09 h40
  text "ID" at 1187.47,370.09 h40
  text "2C" at 1727.47,370.09 h40
  text "2C" at 1447.47,365.09 h40
Bottom Overlay:
  drawing of 13 lines, arcs and shapes, not listed
  text "GND" at 1302.48,1713.09 h40 r180
  text "-5" at 1512.47,1713.09 h40 r180
  text "5" at 1617.47,1713.09 h40 r180
  text "-" at 1866.76,1618.09 h60 r270
  text "+" at 2572.47,1588.09 h60 r270
  text "+" at 2217.47,1528.09 h60 r270
  text "C-" at 2377.47,1405.09 h40 r270
  text "-" at 2831.76,1333.09 h60 r270
  text "1A" at 1277.47,1315.09 h40 r270
  text "1B" at 1622.47,1315.09 h40 r270
  text "2B" at 1747.47,1315.09 h40 r270
  text "2A" at 1147.47,1285.09 h40 r270
  text "D-" at 2112.47,1225.09 h40 r270
  text "OUTC" at 1982.47,1180.09 h40 r270
  text "OUTB" at 2636.69,1175.87 h40 r270
  text "IB" at 1832.47,1120.09 h40 r270
  text "A-" at 2767.47,1085.09 h40 r270
  text "IA" at 1202.47,990.09 h40 r270
  text "IN" at 1847.47,990.09 h40 r270
  text "in" at 3215.48,985.09 h40
  text "OUT" at 701.48,979.09 h60 r270
  text "-" at 2031.76,958.09 h60 r270
  text "-" at 2790.33,923.09 h40 r270
  text "OUTA" at 2647.47,870.09 h40 r270
  text "-" at 2826.76,828.09 h60 r270
  text "2B" at 1802.47,820.09 h40 r270
  text "B-" at 2312.47,775.09 h40 r270
  text "1D" at 1102.47,650.09 h40 r270
  text "IC" at 1797.47,645.09 h40 r270
  text "2D" at 1227.47,640.09 h40 r270
  text "+" at 2592.47,603.09 h60 r270
  text "+" at 2322.47,598.09 h60 r270
  text "OUTD" at 2102.47,515.09 h40 r270
  text "1C" at 1645.47,380.09 h40
  text "ID" at 1310.47,370.09 h40
  text "2C" at 1790.47,370.09 h40
  text "2C" at 1510.47,365.09 h40
Mechanical 1:
  drawing of 233 lines, arcs and shapes, not listed